# Altium PCB mb1260.PcbDoc (part 1 of 7) (continued)
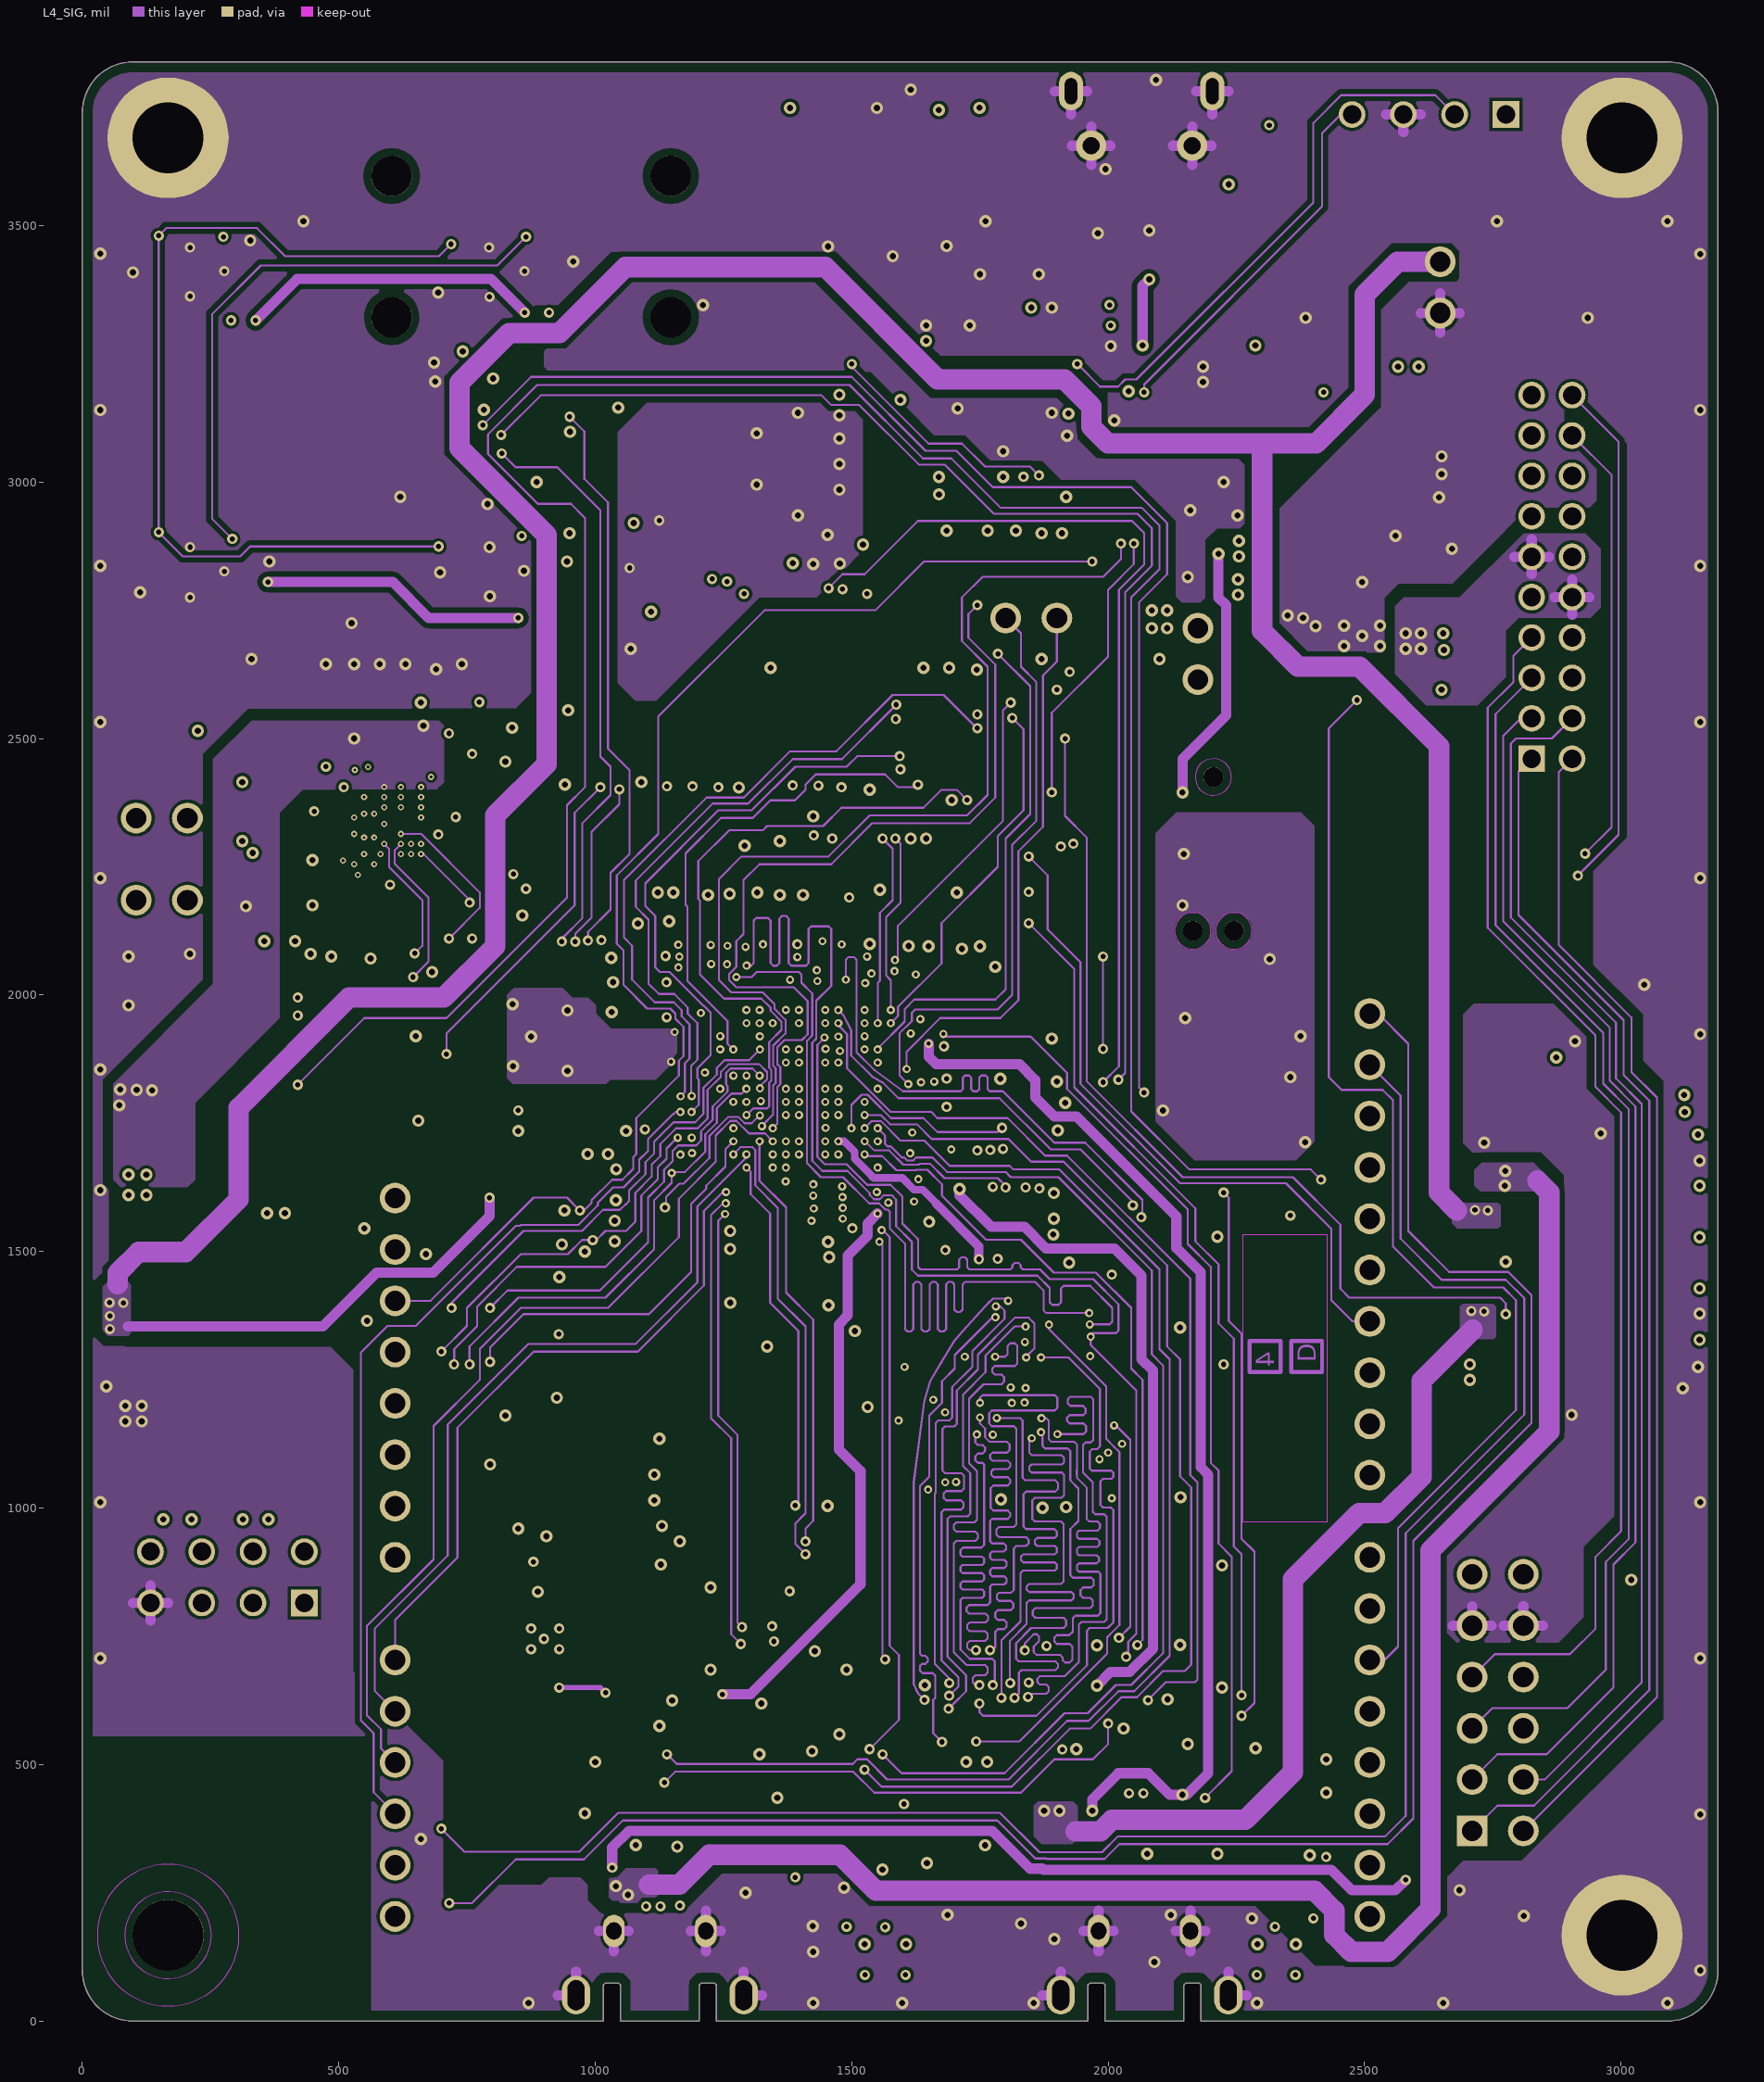
[diagram p4: L4_SIG]
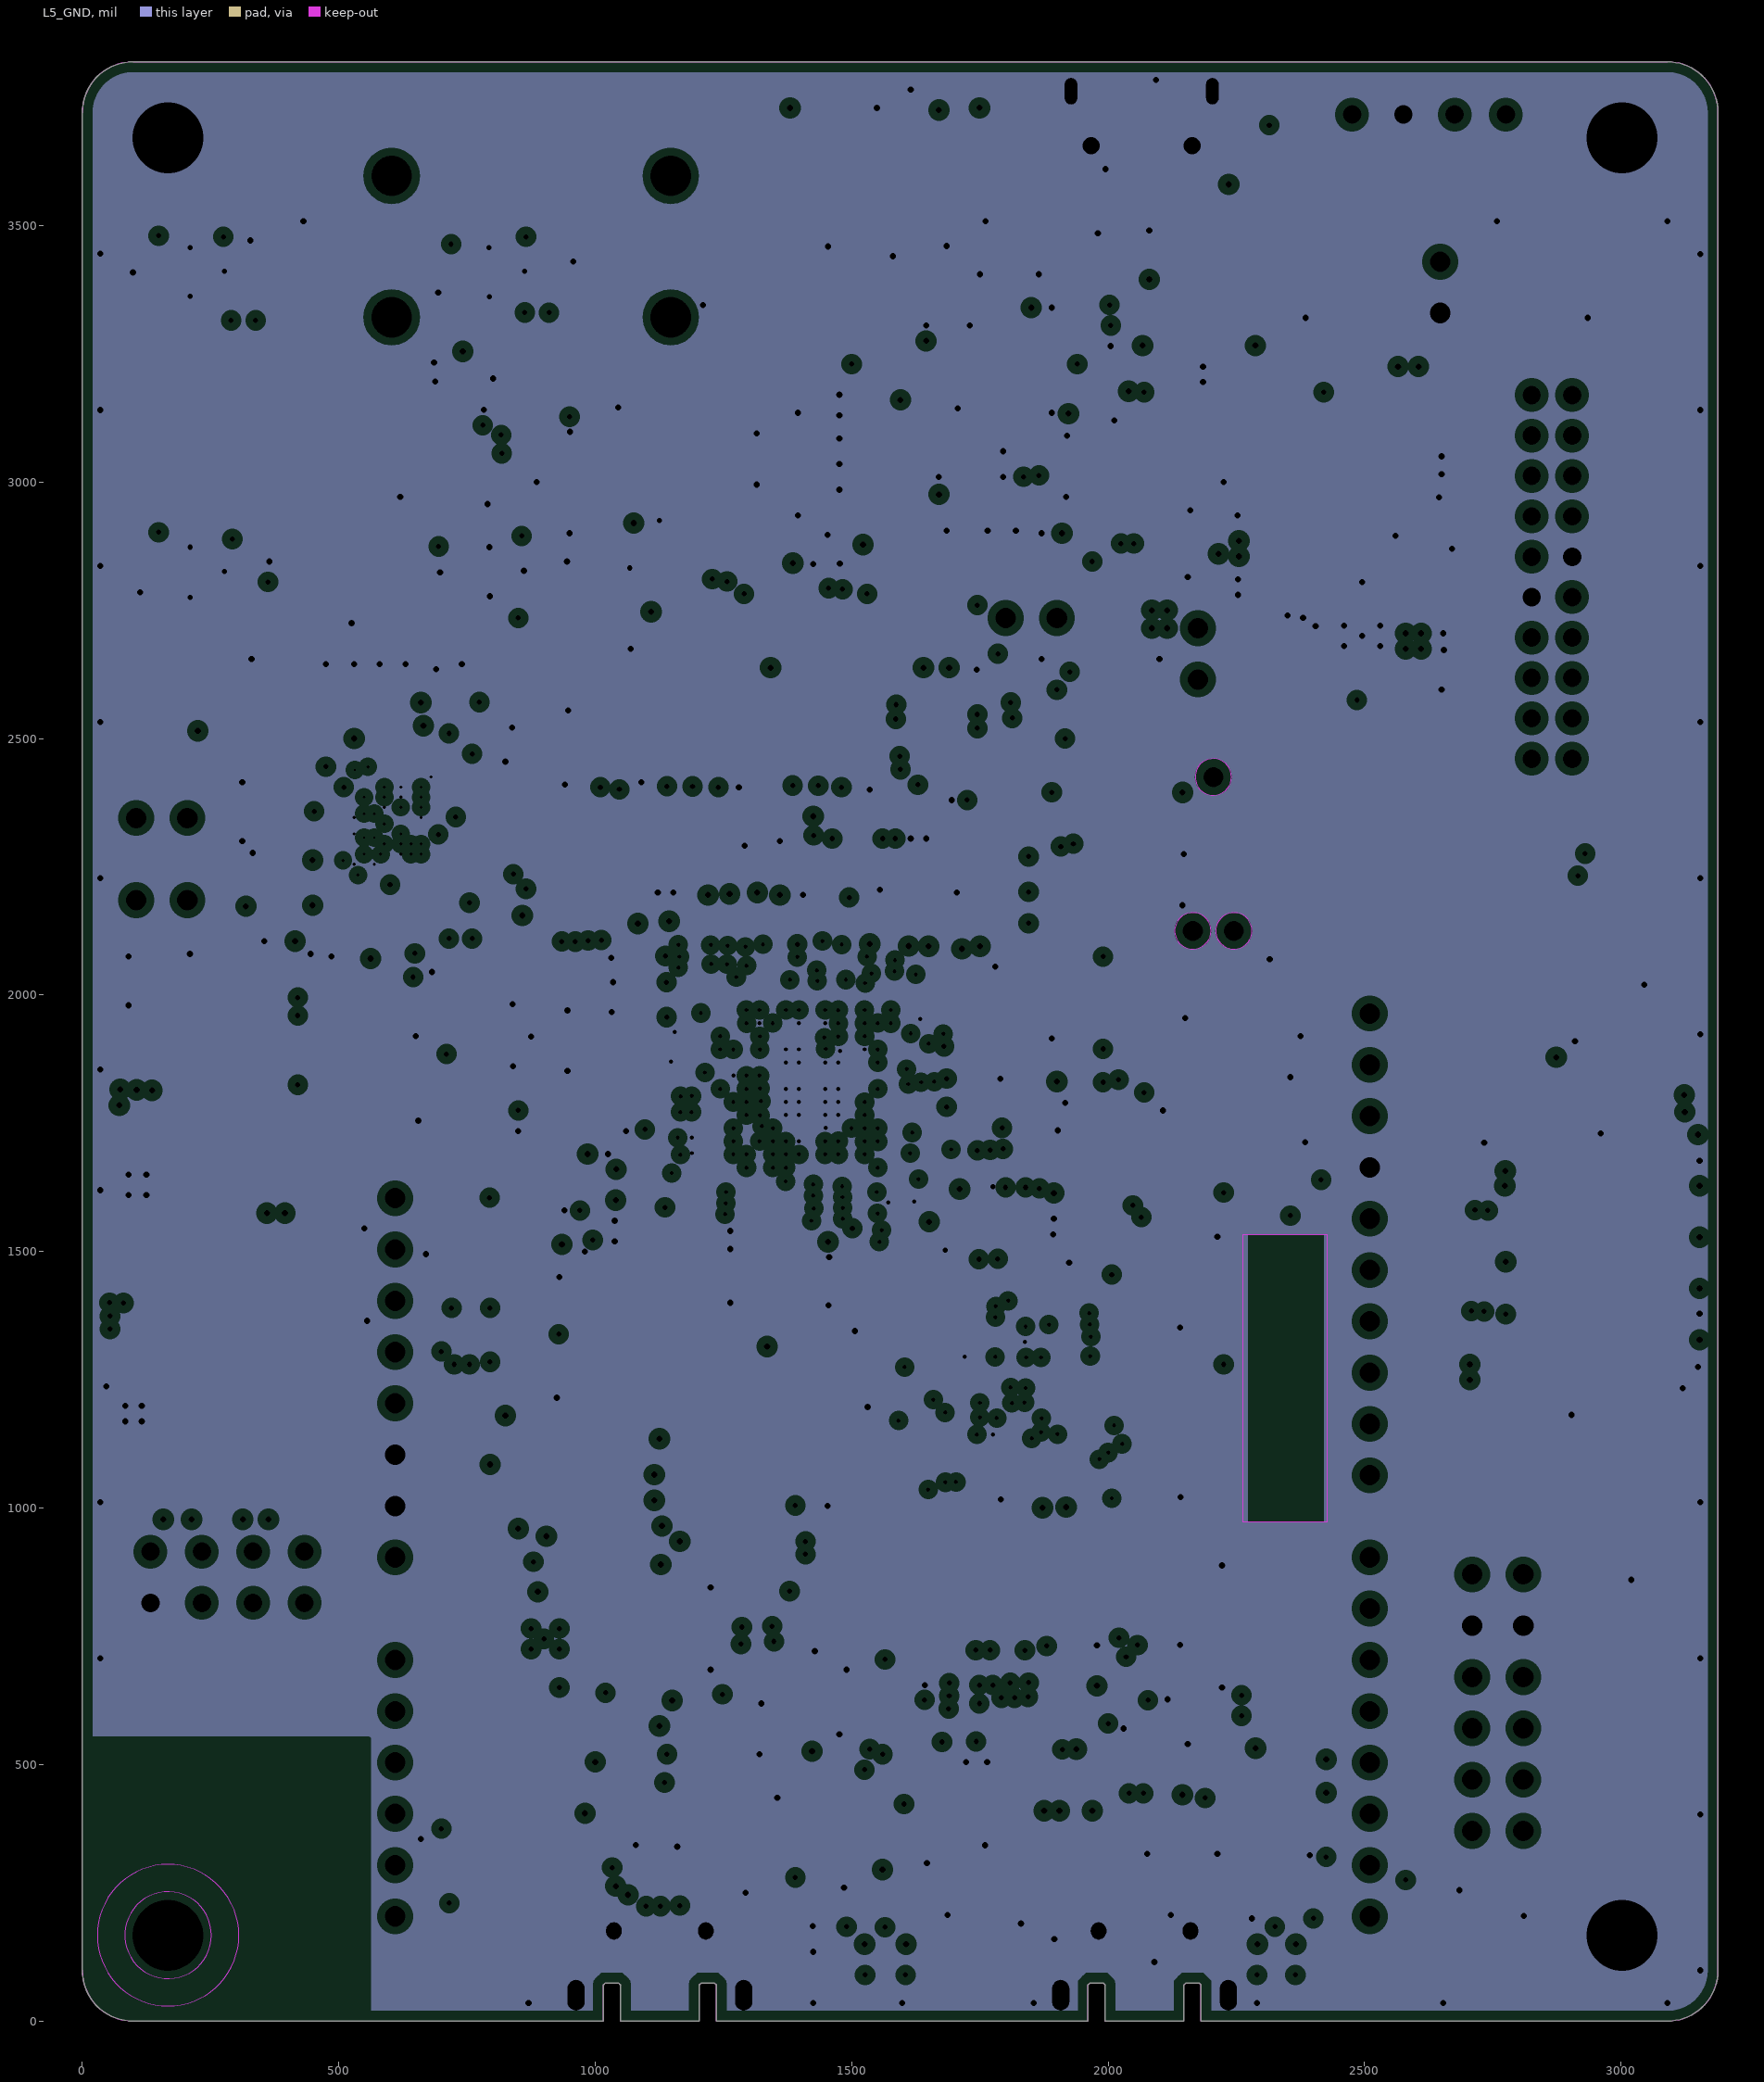
[diagram p5: L5_GND, clearances drawn from the general rule]

## Layer stack, top to bottom
Top Solder: solder mask 0.6, Solder Resist, Dk 3.5
TOP: signal copper 1.8
Dielectric 1: core 3.9, FR-4, Dk 4.3
L2_GND: plane copper 1.2, net (Multiple Nets)
Dielectric2: core 4, FR-4, Dk 4.3
L3_VCC: plane copper 1.2, net (Multiple Nets)
Dielectric3: core 38, FR-4, Dk 4.3
L4_SIG: signal copper 1.2
Dielectric4: core 4, FR-4, Dk 4.3
L5_GND: plane copper 1.2, net GND
Dielectric5: core 3.9, FR-4, Dk 4.3
BOTTOM: signal copper 1.8
Bottom Solder: solder mask 0.6, Solder Resist, Dk 3.5

## Board outline
98.82,0 1015.74,0 1015.74,70.28 1019.68,74.22 1045.27,74.22 1049.21,70.28 1049.21,0 1202.75,0 1202.75,70.28 1206.69,74.22 1232.28,74.22 1236.22,70.28 1236.22,0 1960.63,0 1960.63,70.28 1964.57,74.22 1990.16,74.22 1994.1,70.28 1994.1,0 2147.64,0 2147.64,70.28 2151.58,74.22 2177.17,74.22 2181.11,70.28 2181.11,0 3090.19,0 ccw(c3090.19,98.82) 3189.01,98.82 3189.01,3720.07 ccw(c3090.19,3720.07) 3090.19,3818.89 98.82,3818.89 ccw(c98.82,3720.07) 0,3720.07 0,98.82 ccw(c98.82,98.82)

## Design rules (kind name [scope] priority, off if disabled: settings)
BoardOutlineClearance [All] p1: gap=20 ignorepadtopadclearanceinfootprint=FALSE
Clearance Clearance_chevron [HasFootprint('JP2_SMD')] p1: gap=5 ignorepadtopadclearanceinfootprint=TRUE except(0: Arc-Hole Track-Hole SMDPad-Hole THPad-Hole Via-Hole Fill-Hole Poly-Hole Region-Hole Text-Hole; 3: Poly-Poly Region-Region; 6: SMDPad-Fill SMDPad-Poly SMDPad-Region THPad-Fill THPad-Poly THPad-Region Via-Fill Via-Poly Via-Region Fill-Text Poly-Text Region-Text; 10: Arc-Arc Arc-Track Arc-Fill Arc-Poly Arc-Region Track-Track Track-Fill Track-Poly Track-Region; 20: Fill-Fill Fill-Poly Fill-Region Poly-Region)
Clearance Clearance_U15 [TouchesRoom('RoomDefinition_6')] p2: gap=5 ignorepadtopadclearanceinfootprint=TRUE except(0: Arc-Hole Track-Hole SMDPad-Hole THPad-Hole Via-Hole Fill-Hole Poly-Hole Region-Hole Text-Hole; 3: Fill-Fill Fill-Poly Fill-Region Poly-Poly Poly-Region Region-Region; 6: SMDPad-Fill SMDPad-Poly SMDPad-Region THPad-Fill THPad-Poly THPad-Region Via-Fill Via-Poly Via-Region Fill-Text Poly-Text Region-Text; 10: Arc-Arc Arc-Track Arc-Fill Arc-Poly Arc-Region Track-Track Track-Fill Track-Poly Track-Region)
Clearance Clearance_diff100 [(ObjectKind = 'Track') And (Net = 'NETCN10_2') or  (ObjectKind = 'Track') And (Net = 'NETCN7_2') vs (ObjectKind = 'Track') And (Net = 'NETCN10_1') or (ObjectKind = 'Track') And (Net = 'NETCN7_1')] p3: gap=9.9 ignorepadtopadclearanceinfootprint=FALSE
Clearance Clearance_diff90 [(ObjectKind = 'Track') And (Net Like '*_P') vs (ObjectKind = 'Track') And (Net Like '*_N')] p4: gap=8.9 ignorepadtopadclearanceinfootprint=FALSE except(0: Arc-Hole Track-Hole SMDPad-Hole THPad-Hole Via-Hole Fill-Hole Poly-Hole Region-Hole Text-Hole; 10: Arc-Fill Arc-Poly Arc-Region Track-Fill Track-Poly Track-Region)
Clearance Clearance_BGA0.5 [TouchesRoom('RoomDefinition_BGA0.5')  or  TouchesRoom('RoomDefinition_5')] p5: gap=5 ignorepadtopadclearanceinfootprint=FALSE except(0: Arc-Hole Track-Hole SMDPad-Hole THPad-Hole Via-Hole Fill-Hole Poly-Hole Region-Hole Text-Hole; 3: Arc-SMDPad Arc-THPad Track-SMDPad Track-THPad Via-Via; 3.8: SMDPad-Via THPad-Via; 3.98: Region-Region; 4: Arc-Arc Arc-Track Arc-Via Track-Track Track-Via; 10: Track-Poly; 15: Fill-Fill Fill-Poly Fill-Region Poly-Poly Poly-Region)
Clearance Clearance_Void [(ObjectKind = 'Track') And (Layer = 'TOP') And (ObjectKind = 'Region') vs InPolygon] p6: gap=0.01 ignorepadtopadclearanceinfootprint=FALSE except(0: Arc-Hole Track-Hole SMDPad-Hole THPad-Hole Via-Hole Fill-Hole Poly-Hole Region-Hole Text-Hole)
Clearance Clearance_BGA [TouchesRoom('RoomDefinition_BGA') or TouchesRoom('RoomDefinition_BGA_2')or TouchesRoom('RoomDefinition_1') or TouchesRoom('RoomDefinition_2') or  TouchesRoom('RoomDefinition_3') or TouchesRoom('RoomDefinition_14') or   TouchesRoom('RoomDefinition_15') or TouchesRoom('RoomDefinition_16') or  TouchesRoom('RoomDefinition_17') or TouchesRoom('RoomDefinition_18') or  TouchesRoom('RoomDefinition_19') or TouchesRoom('RoomDefinition_20')] p7: gap=4 ignorepadtopadclearanceinfootprint=FALSE except(0: Arc-Hole Track-Hole SMDPad-Hole THPad-Hole Via-Hole Fill-Hole Poly-Hole Region-Hole Text-Hole; 3.98: Region-Region; 5: Arc-Fill Arc-Poly Arc-Region Track-Fill Track-Poly Track-Region SMDPad-THPad SMDPad-Fill SMDPad-Poly SMDPad-Region THPad-THPad THPad-Fill THPad-Poly THPad-Region Via-Via Via-Fill Via-Poly Via-Region; 15: Fill-Fill Fill-Poly Fill-Region Poly-Poly Poly-Region)
Clearance Clearance_Default_L4 [InNet('No Net') vs OnLayer('L4_SIG')] p8: gap=6 ignorepadtopadclearanceinfootprint=FALSE except(0: Arc-Hole Track-Hole SMDPad-Hole THPad-Hole Via-Hole Fill-Hole Poly-Hole Region-Hole Text-Hole; 5: Arc-SMDPad Arc-THPad Arc-Via Arc-Text Track-SMDPad Track-THPad Track-Via Track-Text SMDPad-SMDPad SMDPad-THPad SMDPad-Via SMDPad-Text THPad-THPad THPad-Via THPad-Text Via-Via Via-Text Text-Text; 8: Arc-Arc Arc-Track Track-Track Region-Region; 20: Fill-Fill Fill-Poly Fill-Region Poly-Poly Poly-Region)
Clearance Clearance_Default [InNet('No Net')] p9: gap=6 ignorepadtopadclearanceinfootprint=FALSE except(0: Arc-Hole Track-Hole SMDPad-Hole THPad-Hole Via-Hole Fill-Hole Poly-Hole Region-Hole Text-Hole; 5: Arc-SMDPad Arc-THPad Arc-Via Arc-Text Track-SMDPad Track-THPad Track-Via Track-Text SMDPad-SMDPad SMDPad-THPad SMDPad-Via SMDPad-Text THPad-THPad THPad-Via THPad-Text Via-Via Via-Text Text-Text; 7.1: Region-Region; 10: Arc-Arc Arc-Track Track-Track; 20: Fill-Fill Fill-Poly Fill-Region Poly-Poly Poly-Region)
Clearance Clearance_2W_L3 [OnLayer('L3_VCC')and not (OnLayer('Keep-Out Layer')) vs OnLayer('L3_VCC')and not (OnLayer('Keep-Out Layer'))] p10: gap=5 ignorepadtopadclearanceinfootprint=FALSE except(0: Arc-Hole Track-Hole SMDPad-Hole THPad-Hole Via-Hole Fill-Hole Poly-Hole Region-Hole Text-Hole; 6: SMDPad-Fill SMDPad-Poly SMDPad-Region THPad-Fill THPad-Poly THPad-Region Via-Fill Via-Poly Via-Region Fill-Text Poly-Text Region-Text; 8: Arc-Arc Arc-Track Arc-Fill Arc-Poly Arc-Region Track-Track Track-Fill Track-Poly Track-Region Region-Region; 20: Fill-Fill Fill-Poly Fill-Region Poly-Poly Poly-Region)
Clearance Clearance_2W_L4 [OnLayer('L4_SIG')   and not (OnLayer('Keep-Out Layer')) vs OnLayer('L4_SIG')   and not (OnLayer('Keep-Out Layer'))] p11: gap=5 ignorepadtopadclearanceinfootprint=FALSE except(0: Arc-Hole Track-Hole SMDPad-Hole THPad-Hole Via-Hole Fill-Hole Poly-Hole Region-Hole Text-Hole; 6: SMDPad-Fill SMDPad-Poly SMDPad-Region THPad-Fill THPad-Poly THPad-Region Via-Fill Via-Poly Via-Region Fill-Text Poly-Text Region-Text; 8: Arc-Arc Arc-Track Track-Track Region-Region; 10: Arc-Fill Arc-Poly Arc-Region Track-Fill Track-Poly Track-Region; 20: Fill-Fill Fill-Poly Fill-Region Poly-Poly Poly-Region)
Clearance Clearance_2W [All and not (OnLayer('Keep-Out Layer')) vs All and not (OnLayer('Keep-Out Layer'))] p12: gap=5 ignorepadtopadclearanceinfootprint=FALSE except(0: Arc-Hole Track-Hole SMDPad-Hole THPad-Hole Via-Hole Fill-Hole Poly-Hole Region-Hole Text-Hole; 6: SMDPad-Fill SMDPad-Poly SMDPad-Region THPad-Fill THPad-Poly THPad-Region Via-Fill Via-Poly Via-Region Fill-Text Poly-Text Region-Text; 10: Arc-Arc Arc-Track Arc-Fill Arc-Poly Arc-Region Track-Track Track-Fill Track-Poly Track-Region; 20: Fill-Fill Fill-Poly Fill-Region Poly-Poly Poly-Region Region-Region)
ComponentClearance [All] p1: gap=0 collisioncheckmode=3 verticalgap=0 showdistances=FALSE
DiffPairsRouting DiffPairsRouting_100Ohm [InDifferentialPairClass('100ohms')] p1: maxlimit=10.9 minlimit=9.9 mostfreqgap=10.9 toplayer_maxgap=9.9 toplayer_prefgap=9.9 toplayer_minwidth=5.1 toplayer_maxwidth=20 toplayer_prefwidth=5.1 midlayer1_mingap=10.9 midlayer1_minwidth=4.1 midlayer1_maxwidth=20 midlayer1_prefwidth=4.1 bottomlayer_maxgap=9.9 bottomlayer_prefgap=9.9 bottomlayer_minwidth=5.1 bottomlayer_maxwidth=20 bottomlayer_prefwidth=5.1 maxuncoupledlength=500
DiffPairsRouting DiffPairsRouting_90Ohm [InDifferentialPairClass('90ohms')] p2: maxlimit=9.9 minlimit=8.9 mostfreqgap=9.9 toplayer_maxgap=8.9 toplayer_prefgap=8.9 toplayer_minwidth=6.1 toplayer_maxwidth=6.1 toplayer_prefwidth=6.1 midlayer1_mingap=9.9 midlayer1_minwidth=5.1 midlayer1_maxwidth=5.1 midlayer1_prefwidth=5.1 bottomlayer_maxgap=8.9 bottomlayer_prefgap=8.9 bottomlayer_minwidth=6.1 bottomlayer_maxwidth=6.1 bottomlayer_prefwidth=6.1 maxuncoupledlength=500
HoleSize [All] p1: absolutevalues=TRUE maxlimit=138 minlimit=6 maxpercent=80.000 minpercent=20.000
MaxMinImpedance "Schematic Impedance Constraint" [InNet('PSRAM_NBL0')] p1: minimum=40,00 maximum=60,00
PlaneClearance PlaneClearance_BGA0.5 [(ObjectKind = 'Via') And (AsMils(HoleDiameter) = 6)] p1: clearance=6
PlaneClearance PlaneClearance_BGA [(ObjectKind = 'Via') And (AsMils(HoleDiameter) = 8)] p2: clearance=8.89
PlaneClearance PlaneClearance_via [(ObjectKind = 'Via')] p3: clearance=10
PlaneClearance [All] p4: clearance=15
PlaneConnect PlaneConnect_MECA [(Component = 'H4') or (Component = 'H1') or (Component = 'H2')] p1: planeconnectstyle=Relief reliefexpansion=2 reliefentries=4 reliefconductorwidth=30 reliefairgap=7
PlaneConnect PlaneConnect_Vias [isvia] p2: planeconnectstyle=Direct reliefexpansion=20 reliefentries=4 reliefconductorwidth=10 reliefairgap=10
PlaneConnect PlaneConnect_HOLE [(ObjectKind = 'Pad') And (Name = 'CN18-9') or (ObjectKind = 'Pad') And (Name = 'CN18-8') or   (ObjectKind = 'Pad') And (Name = 'CN19-9') or   (ObjectKind = 'Pad') And (Name = 'CN19-8')] p3: planeconnectstyle=Relief reliefexpansion=20 reliefentries=4 reliefconductorwidth=20 reliefairgap=7
PlaneConnect [All] p4: planeconnectstyle=Relief reliefexpansion=7.5 reliefentries=4 reliefconductorwidth=15 reliefairgap=7
PolygonConnect PolygonConnect_Hole [(Component = 'H4') or (Component = 'H1') or (Component = 'H2')] p1: connectstyle=Direct reliefconductorwidth=10 reliefentries=4 polygonreliefangle="90 Angle" airgapwidth=10
PolygonConnect PolygonConnect_USB10 [(ObjectKind = 'Pad') And (Name = 'CN19-10') or (ObjectKind = 'Pad') And (Name = 'CN18-10')] p2: connectstyle=Direct reliefconductorwidth=10 reliefentries=4 polygonreliefangle="90 Angle" airgapwidth=10
PolygonConnect PolygonConnect_CN8 [(ObjectKind = 'Pad') And (Name = 'CN8-3') or (ObjectKind = 'Pad') And (Name = 'CN8-5') or (ObjectKind = 'Pad') And (Name = 'CN8-7') or (ObjectKind = 'Pad') And (Name = 'CN8-9')] p3: connectstyle=Direct reliefconductorwidth=10 reliefentries=4 polygonreliefangle="90 Angle" airgapwidth=10
PolygonConnect PolygonConnect_Vias [All vs isvia] p4: connectstyle=Direct reliefconductorwidth=10 reliefentries=4 polygonreliefangle="90 Angle" airgapwidth=10
PolygonConnect [All] p5: connectstyle=Relief reliefconductorwidth=20 reliefentries=4 polygonreliefangle="90 Angle" airgapwidth=6
RoomDefinition RoomDefinition_5 [All] p1: confinementstyle=ConfineOut formatcopy=TRUE lockcomponents=FALSE outline 517.97,2442 689.03,2442 689.03,2246.84 517.97,2246.84
RoomDefinition RoomDefinition_BGA [False] p2: confinementstyle=ConfineIn formatcopy=TRUE lockcomponents=FALSE outline 1200,1631.82 1200,2033.18 1206.82,2040 1360,2040 1390,2070 1505,2070 1535,2040 1615,2040 1615,1970 1640,1945 1640,1670 1615,1645 1615,1630.91 1551.3,1567.2 1547.26,1567.2 1509.46,1605 1226.82,1605
RoomDefinition RoomDefinition_6 [All vs False] p3: confinementstyle=ConfineOut formatcopy=TRUE lockcomponents=FALSE outline 1067.42,296.18 1159.44,296.18 1159.44,274.91 1067.42,274.91
RoomDefinition RoomDefinition_20 [All vs False] p4: confinementstyle=ConfineOut formatcopy=TRUE lockcomponents=FALSE outline 134.34,2879.33 172.34,2879.33 172.34,2837.33 134.34,2837.33
RoomDefinition RoomDefinition_19 [All vs False] p5: confinementstyle=ConfineOut formatcopy=TRUE lockcomponents=FALSE outline 246.34,2880.33 285.34,2880.33 285.34,2768.33 246.34,2768.33
RoomDefinition RoomDefinition_18 [All] p6: confinementstyle=ConfineOut formatcopy=TRUE lockcomponents=FALSE outline 721.34,2875.33 761.34,2875.33 761.34,2837.33 721.34,2837.33
RoomDefinition RoomDefinition_17 [All] p7: confinementstyle=ConfineOut formatcopy=TRUE lockcomponents=FALSE outline 827.34,2880.33 862.34,2880.33 862.34,2771.33 827.34,2771.33
RoomDefinition RoomDefinition_16 [All vs False] p8: confinementstyle=ConfineOut formatcopy=TRUE lockcomponents=FALSE outline 964.34,3178.33 1003.34,3178.33 1003.34,3107.33 964.34,3107.33
RoomDefinition RoomDefinition_15 [All vs False] p9: confinementstyle=ConfineOut formatcopy=TRUE lockcomponents=FALSE outline 843.34,3180.33 885.34,3180.33 885.34,3106.33 843.34,3106.33
RoomDefinition RoomDefinition_14 [All vs False] p10: confinementstyle=ConfineOut formatcopy=TRUE lockcomponents=FALSE outline 831.34,3458.33 870.34,3458.33 870.34,3348.33 831.34,3348.33
RoomDefinition RoomDefinition_3 [All vs False] p11: confinementstyle=ConfineOut formatcopy=TRUE lockcomponents=FALSE outline 724.28,3458.33 758.93,3458.33 758.93,3349.33 724.28,3349.33
RoomDefinition RoomDefinition_2 [All] p12: confinementstyle=ConfineOut formatcopy=TRUE lockcomponents=FALSE outline 243.34,3458.41 279.34,3458.41 279.34,3347.21 243.34,3347.21
RoomDefinition RoomDefinition_1 [All] p13: confinementstyle=ConfineOut formatcopy=TRUE lockcomponents=FALSE outline 143.34,3459.06 175.34,3459.06 175.34,3346.21 143.34,3346.21
RoomDefinition RoomDefinition_BGA_2 [False] p14: confinementstyle=ConfineIn formatcopy=TRUE lockcomponents=FALSE outline 1675,1140 1675,1344.28 1770,1344.28 1785,1359.28 1785,1390 1790,1395 1830,1395 1835,1390 1835,1349.28 1840,1344.28 1950,1344.28 1950,1140 1942,1132 1912,1132 1904,1140
RoomDefinition RoomDefinition_13 [All] p15: confinementstyle=ConfineOut formatcopy=TRUE lockcomponents=FALSE outline 245,3460 281,3460 281,3350 245,3350
RoomDefinition RoomDefinition_4 [All] p16: confinementstyle=ConfineOut formatcopy=TRUE lockcomponents=FALSE outline 830,2880 866,2880 866,2770 830,2770
RoomDefinition RoomDefinition_BGA0.5 [All] p17: confinementstyle=ConfineIn formatcopy=TRUE lockcomponents=FALSE outline 518.78,2246.26 689.01,2246.26 689.01,2437.92 518.78,2437.92
RoomDefinition [All] p18: confinementstyle=ConfineOut formatcopy=TRUE lockcomponents=FALSE outline 1675,1344.28 1770,1344.28 1785,1359.28 1785,1390 1790,1395 1830,1395 1835,1390 1835,1349.28 1840,1344.28 1950,1344.28 1950,1140 1942,1132 1912,1132 1904,1140 1675,1140
RoutingVias [All] p1: holewidth=28 width=50 viastyle="Through Hole" minholewidth=6 minwidth=12 maxholewidth=28 maxwidth=50
SolderMaskExpansion SolderMaskExpansion_via [IsVia] p1: expansion=0 istentingtop=FALSE
SolderMaskExpansion [All] p2: expansion=3 istentingtop=FALSE
Width Width_20Mil [InNet('1V8') or InNet('VDD') or  InNet('NETR76_2') or  InNet('3V3') or  InNet('3V3_ST_LINK') or  InNet('5V_ST_LINK')] p1: maxlimit=100 minlimit=5 preferedwidth=20 minimp=50.000000 maximp=50.000000 favimp=50.000000
Width Width_Default [All] p2: maxlimit=99999 minlimit=4 preferedwidth=5 midlayer1_prefwidth=4 minimp=50.870000 maximp=50.870000 favimp=50.870000
25 further rules are at their usual default settings.
